# Altium PCB GSMGPSMC60_2.PcbDoc
Units mm, origin at the board's own origin, x right, y up, seen from the top; angles counter-clockwise.
Board outline 40.1 x 40 mm, 2 copper layers (Top Layer, Bottom Layer); 50 components, 63 nets, 215 pads, 6 vias.
Unrouted connection lines stored in the file: 97.
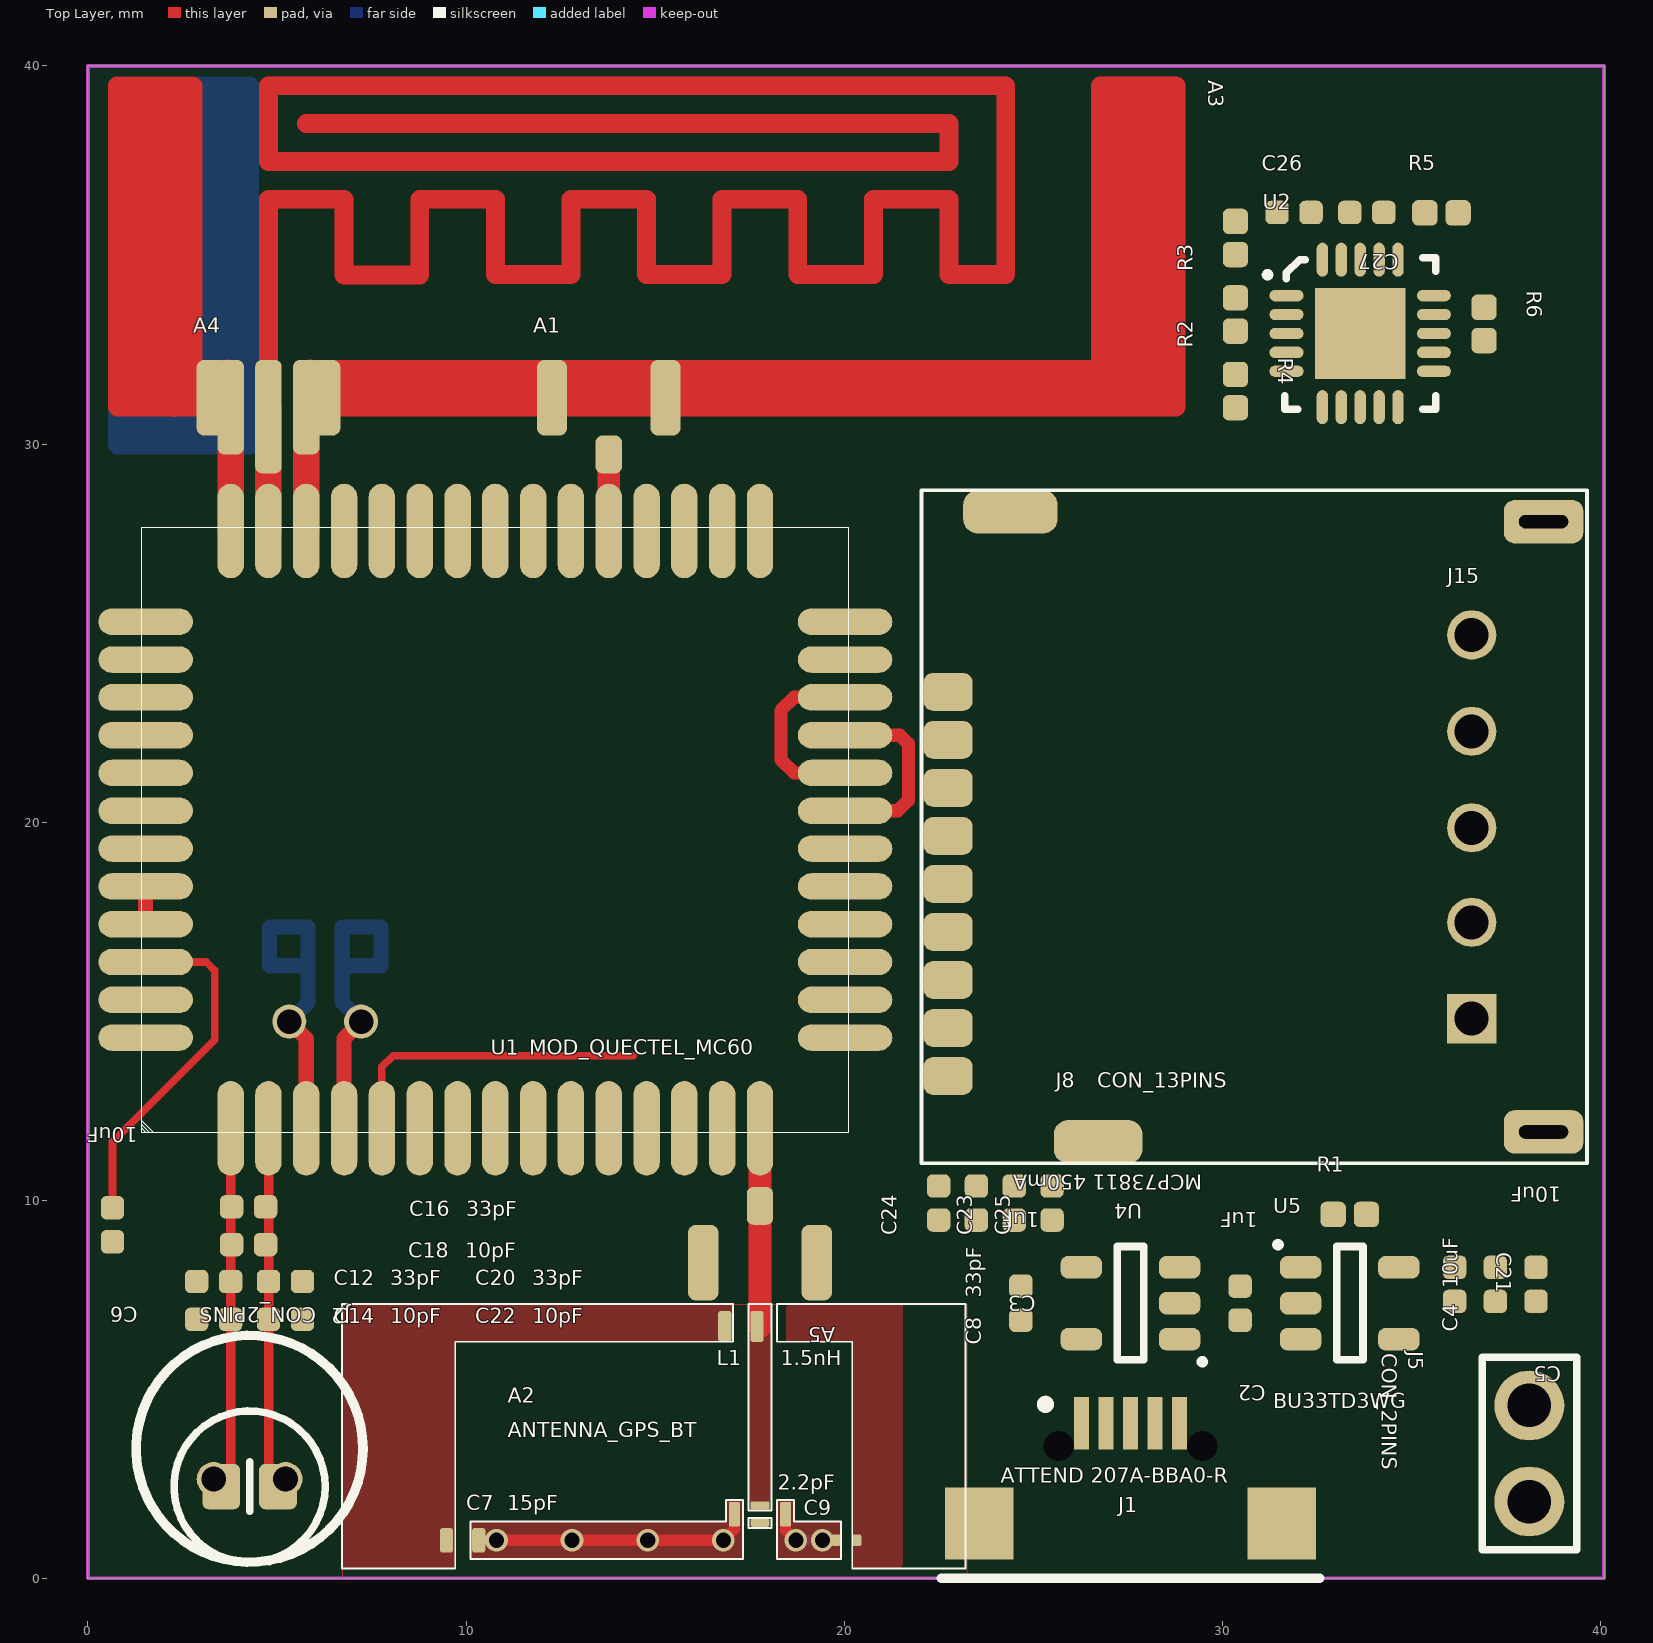
[diagram p0: Top Layer view]
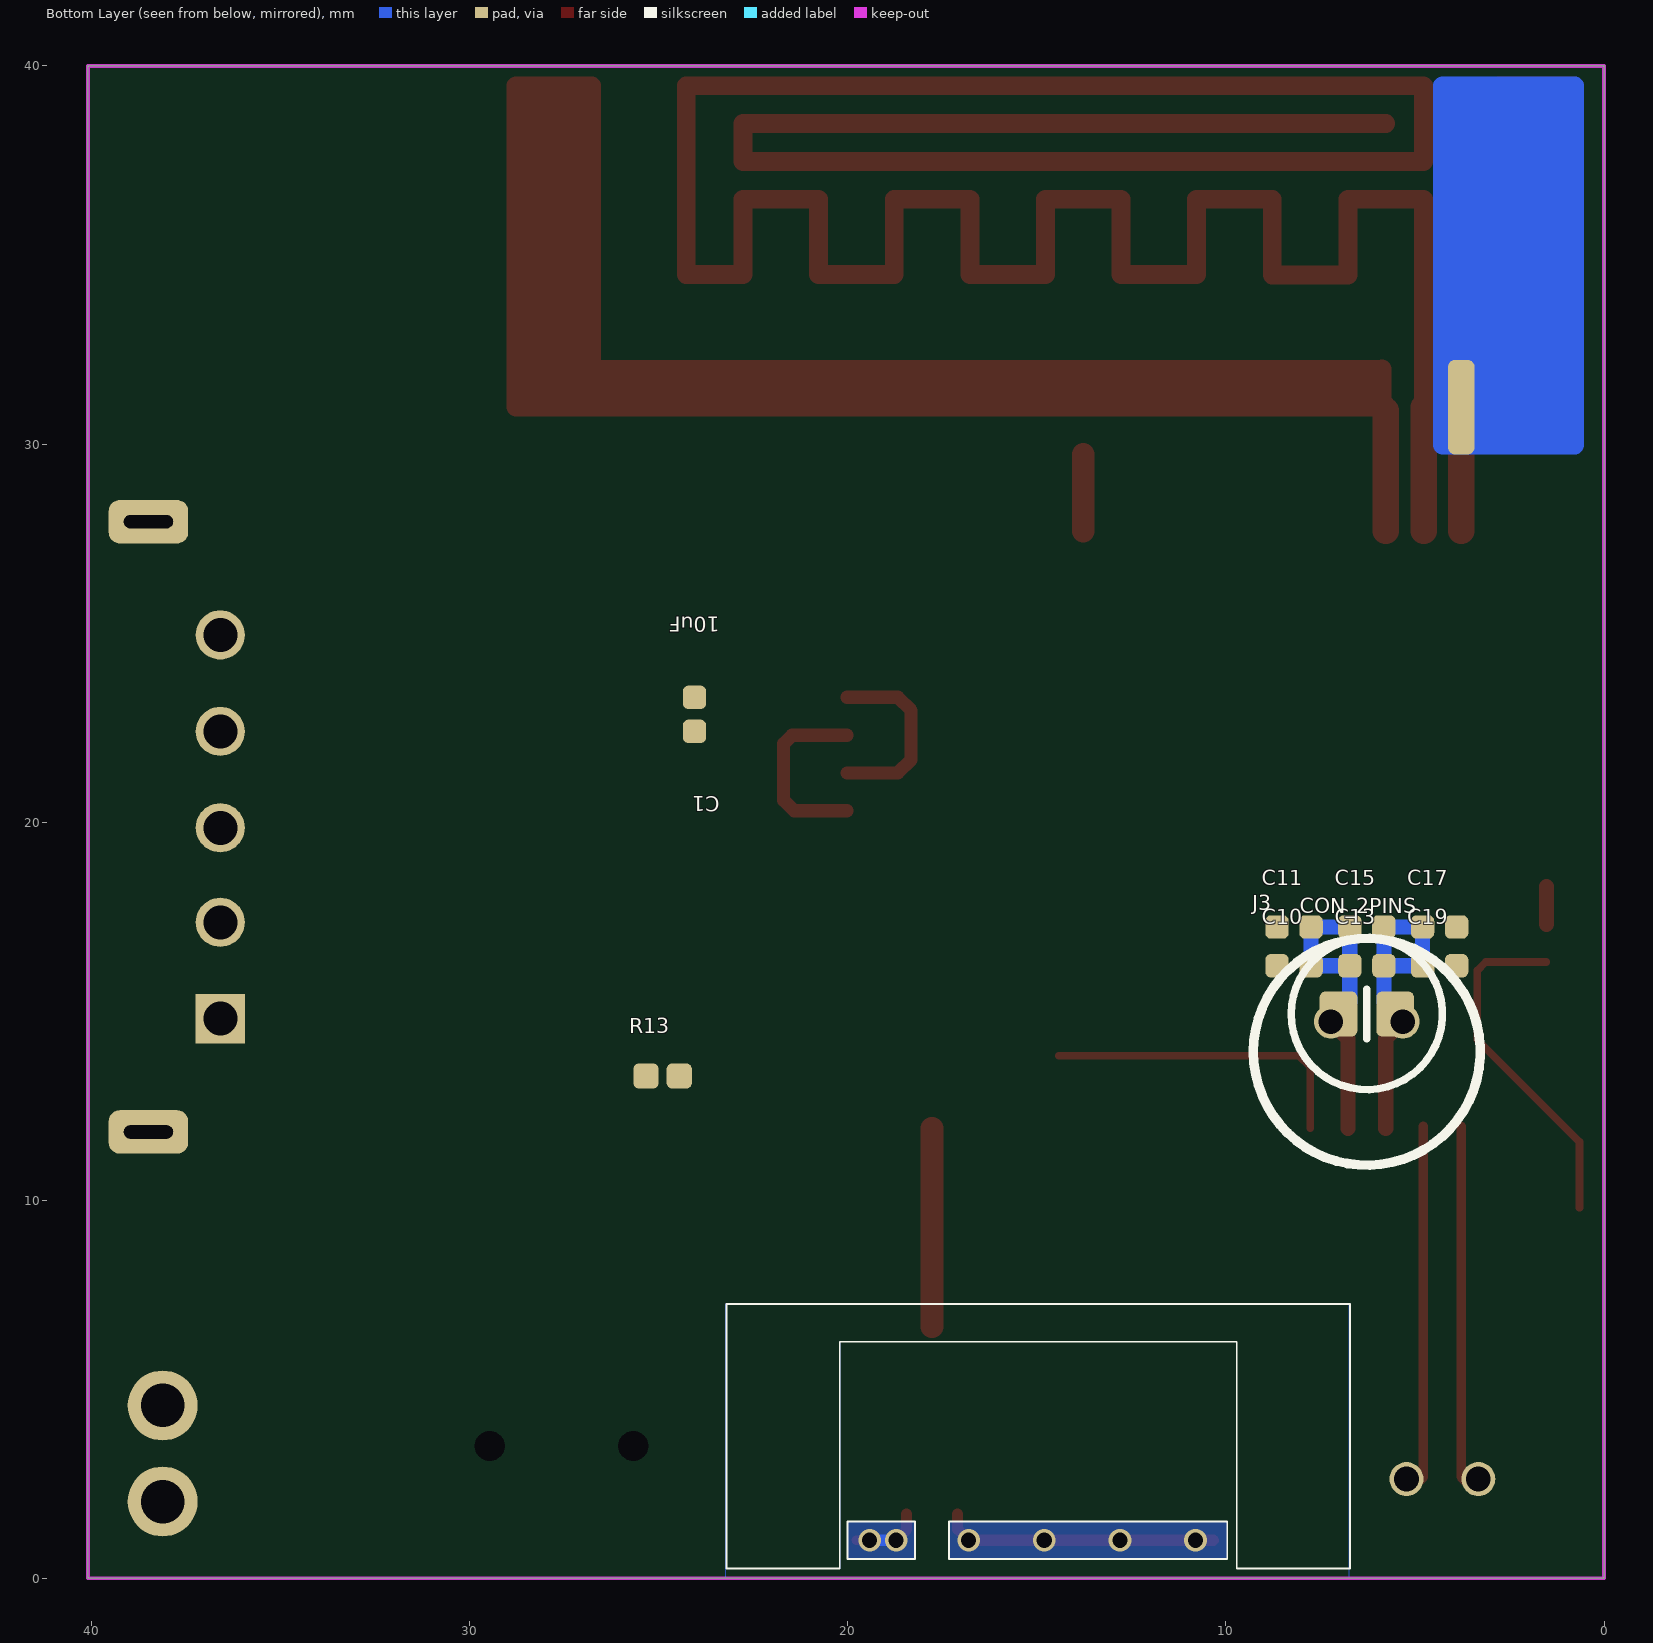
[diagram p1: Bottom Layer view, seen from below]

## Layer stack, top to bottom
Top Solder: solder mask 0.0102, Solder Resist, Dk 3.5
Top Layer: signal copper 0.0356
Dielectric 1: dielectric 0.32, FR-4, Dk 4.8
Bottom Layer: signal copper 0.0356
Bottom Solder: solder mask 0.0102, Solder Resist, Dk 3.5

## Board outline
0,0 40.1,0 40.1,40 0,40

## Design rules (kind name [scope] priority, off if disabled: settings)
Clearance Clearance_PolySmall [InPolygonClass('PolySmallClearance')] p1: gap=0.2
Clearance Clearance_Keepout [All vs OnLayer('Keep-Out Layer')] p2: gap=0.2
Clearance Clearance_Q1Q2Q3 [(InComponent('Q1') OR InComponent('Q2') OR InComponent('Q3')) vs (InComponent('Q1') OR InComponent('Q2') OR InComponent('Q3'))] p3 off: gap=1
Clearance Clearance_110V_NoNet [InNetClass('110V') vs InNet('No Net')] p4 off: gap=0.5
Clearance Clearance_220V_110V [InNetClass('220V') vs InNetClass('110V')] p5 off: gap=1
Clearance Clearance_240VAC_220V [InNet('240VAC') vs InNetClass('220V')] p6 off: gap=1
Clearance Clearance_Poly [All vs InPolygon] p7: gap=0.4
Clearance Clearance_TrackAll [All vs IsTrack] p8: gap=0.2
Clearance Clearance_TrackU4 [InComponent('U4') vs IsTrack] p9 off: gap=0.25
Clearance Clearance_220V [InNetClass('220V')] p10 off: gap=2
Clearance Clearance_110V [InNetClass('110V')] p11 off: gap=1
Clearance [All] p12: gap=0.2
ComponentClearance [All] p1 off: gap=0.254 collisioncheckmode=3 verticalgap=0.254 showdistances=FALSE
Height [All] p1 off: minheight=0 maxheight=25.4 prefheight=12.7
PolygonConnect PolygonConnect_Direct [InPadClass('Flooded')  or InComponentClass ('PolygonDirectConnect')] p1: connectstyle=Direct reliefconductorwidth=0.254 reliefentries=4 polygonreliefangle="90 Angle" airgapwidth=0.254
PolygonConnect PolygonConnect_GND [All vs IsVia] p2: connectstyle=Direct reliefconductorwidth=0.254 reliefentries=4 polygonreliefangle="90 Angle" airgapwidth=0.254
PolygonConnect [All] p3: connectstyle=Relief reliefconductorwidth=0.254 reliefentries=4 polygonreliefangle="90 Angle" airgapwidth=0.254
RoutingVias [All] p1: holewidth=0.711 width=1.27 viastyle="Through Hole" minholewidth=0.711 minwidth=1.27 maxholewidth=0.711 maxwidth=1.27
SolderMaskExpansion [All] p1: expansion=0.102
UnpouredPolygon [All] p1: allowunpoured=FALSE
Width [All] p1: maxlimit=5 minlimit=0.2 preferedwidth=0.5
27 further rules are at their usual default settings.

## Classes and differential pairs
pad class Flooded: J1-7 J1-8
polygon class PolySmallClearance: ANT_GND BT GND_ANT GPS GPS_ANT

## Components (designator, comment, footprint, x,y, rotation, side; value= is the part's Value field where it differs from the comment)
A1 "UFL" SMD_CON_ANTENNA_UFL 13.775,31.225 r0 top
A2 "ANTENNA_GPS_BT" "SMD_CHIP_ANTENNA_GPS_BT - FLIP" 17.775,1.695 r180 top
A3 "PCB" SMD_CON_ANTENNA_GSM_PCB 4.775,30.975 r0 top
A4 "ANTENNA_UFL" SMD_CON_ANTENNA_UFL 4.775,31.225 r0 top
A5 "ANTENNA_UFL" SMD_CON_ANTENNA_UFL 17.775,8.35 r180 top
C1 "10uF" SMD_0402_CAPC1005X90N 24.057,22.85 r270 bottom
C2 "1uF" SMD_0402_CAPC1005X90N 30.475,7.275 r270 top
C3 "1uF" SMD_0402_CAPC1005X90N 24.675,7.275 r270 top
C4 "10uF" SMD_0402_CAPC1005X90N 37.225,7.775 r270 top
C5 "10uF" SMD_0402_CAPC1005X90N 38.3,7.775 r270 top
C6 "10uF" SMD_0402_CAPC1005X90N 0.65,9.35 r270 top
C7 "15pF" "SMD_0402_CAPC1005X90N - ANTENNA" 9.915,1.005 r0 top
C8 "33pF" SMD_0402_CAPC1005X90N 23.5,9.925 r90 top
C9 "2.2pF" "SMD_0201_CAPC0603X33N - ANTENNA" 20.065,1.005 r0 top
C10 "33pF" SMD_0402_CAPC1005X90N 8.2,16.2 r180 bottom
C11 "10pF" SMD_0402_CAPC1005X90N 8.2,17.225 r180 bottom
C12 "33pF" SMD_0402_CAPC1005X90N 3.325,7.85 r0 top
C13 "33pF" SMD_0402_CAPC1005X90N 6.275,16.2 r180 bottom
C14 "10pF" SMD_0402_CAPC1005X90N 3.325,6.85 r0 top
C15 "10pF" SMD_0402_CAPC1005X90N 6.275,17.225 r180 bottom
C16 "33pF" SMD_0402_CAPC1005X90N 4.25,9.825 r0 top
C17 "33pF" SMD_0402_CAPC1005X90N 4.35,17.225 r180 bottom
C18 "10pF" SMD_0402_CAPC1005X90N 4.25,8.825 r0 top
C19 "10pF" SMD_0402_CAPC1005X90N 4.35,16.2 r180 bottom
C20 "33pF" SMD_0402_CAPC1005X90N 5.225,7.85 r0 top
C21 "100nF" SMD_0402_CAPC1005X90N 36.15,7.775 r270 top
C22 "10pF" SMD_0402_CAPC1005X90N 5.225,6.85 r0 top
C23 "10pF" SMD_0402_CAPC1005X90N 24.5,9.925 r90 top
C24 "10uF" SMD_0402_CAPC1005X90N 22.5,9.925 r90 top
C25 "100nF" SMD_0402_CAPC1005X90N 25.5,9.925 r90 top
C26 "1uF" SMD_0402_CAPC1005X90N 31.9,36.125 r0 top
C27 "1uF" SMD_0402_CAPC1005X90N 33.825,36.125 r180 top
J1 "ATTEND 207A-BBA0-R" SMD_CON_MICRO_USB 27.575,4.1 r270 top
J2 "CON_2PINS" PTH_MIC_6MM_2.7MM_PITCH1.9 4.275,3.425 r180 top
J3 "CON_2PINS" PTH_MIC_6MM_2.7MM_PITCH1.9 6.275,13.925 r180 bottom
J5 "CON_2PINS" PTH_HDRV02W64P254_1X02 38.125,3.3 r90 top
J8 "CON_13PINS" SMD_CON-ATTEND_MICRO_SIM_115Q-BCA0 38.5,19.875 r90 top
J15 "CON_5PINS" "SIP5 - PGM" 36.6,19.875 r90 top
L1 "1.5nH" "SMD_0402_INDC1005X55N - ANTENNA" 17.275,6.75 r0 top
R1 "0" SMD_0402_RESC1005X37N 33.375,9.625 r0 top
R2 "0" SMD_0402_RESC1005X37N 30.35,33.425 r90 top
R3 "0" SMD_0402_RESC1005X37N 30.35,35.45 r90 top
R4 "0" SMD_0402_RESC1005X37N 30.35,31.4 r270 top
R5 "0" SMD_0402_RESC1005X37N 35.8,36.114 r0 top
R6 "0" SMD_0402_RESC1005X37N 36.925,33.175 r270 top
R13 "0" SMD_0402_RESC1005X37N 24.9,13.285 r180 bottom
U1 "MOD_QUECTEL_MC60" SMD_MOD_MC60_54_PIN 10.775,19.8 r90 top
U2 "PIC16F1459" SMD_QFN50P400X400X90-21N 33.65,32.925 r0 top
U4 "MCP73811 450mA" "SMD_SOT26_SOT95P285X140-5N - DLV" 27.575,7.275 r180 top
U5 "BU33TD3WG" "SMD_SOT26_SOT95P285X140-5N - DLV" 33.375,7.275 r0 top

## Footprints (in the part's own frame and the unit in brackets; to place one, negate y for a bottom-side part, rotate by r counter-clockwise, add the part's x,y. Pads: shape width x height; smd on the part's side, far side on the other; paste and mask are expansions set on the pad)
PTH_HDRV02W64P254_1X02 [mm]
  round 1.85 hole 1.15 mask+0.075: 1(-1.27,0) 2(1.27,0)
  silkscreen extent -2.55,-1.25 2.55,1.25, body extent -2.54,-1.25 2.54,1.25, height 8
PTH_MIC_6MM_2.7MM_PITCH1.9 [mm] "PMO-6027P-40KDQ(20120820)"
  round 0.9 hole 0.65: 1(-0.95,0.8) 2(0.95,0.8)
  rrect33% 1x1.2 smd mask+0.075: 1(-0.75,1) 2(0.75,1)
  silkscreen extent -3,-3 3,3, body extent -2.98,-2.99 3,2.99, height 6.45
"SIP5 - PGM" [mm]
  rect 1.3x1.3 hole 0.9: 1(-5.075,0)
  round 1.3 hole 0.9: 2(-2.525,0) 3(-0.025,0) 4(2.525,0) 5(5.075,0)
"SMD_0201_CAPC0603X33N - ANTENNA" [mm]
  rrect42% 0.25x0.3 smd mask+0.075: 1(-0.28,0) 2(0.27,0)
  body extent -0.3,-0.15 0.3,0.15, height 0.33
SMD_0402_CAPC1005X90N [mm]
  rrect48% 0.62x0.62 smd mask+0.075: 1(-0.45,0) 2(0.45,0)
  body extent -0.5,-0.25 0.5,0.25, height 0.9
"SMD_0402_CAPC1005X90N - ANTENNA" [mm]
  rrect42% 0.35x0.65 smd mask+0.075: 1(-0.43,0) 2(0.42,0)
  body extent -0.5,-0.25 0.5,0.25, height 0.9
"SMD_0402_INDC1005X55N - ANTENNA" [mm]
  rrect42% 0.35x0.65 smd mask+0.075: 1(-0.43,0) 2(0.42,0)
  body extent -0.5,-0.27 0.5,0.28, height 0.55
SMD_0402_RESC1005X37N [mm]
  rrect45% 0.67x0.67 smd mask+0.05: 1(-0.44,0) 2(0.44,0)
  body extent -0.5,-0.25 0.5,0.25, height 0.37
"SMD_CHIP_ANTENNA_GPS_BT - FLIP" [mm] "ANT016008LCD"
  rrect33% 0.3x0.65 smd mask+0.075: 1(0.675,0) 2(-0.675,0)
  rrect33% 0.5x0.21 smd mask+0.075: 3(0,0.23) 4(0,-0.23)
  rrect42% 0.35x0.65 smd mask+0.075: 5(8.29,0.69) 6(7.44,0.69) 9(0.93,-4.88) 10(0.08,-4.88)
  rrect42% 0.25x0.3 smd mask+0.075: 7(-2.01,0.69) 8(-2.56,0.69)
  Top Layer lines w0.25: -1.65,0.69 -2.01,0.69
  Top Layer lines w0.3: 7.44,0.69 4.97,0.69 0.97,0.69 0.675,0.395 0.675,0 ; -0.675,0 -0.675,0.415 -0.95,0.69
  silkscreen extent -5.44,-5.56 11.06,1.44
SMD_CON-ATTEND_MICRO_SIM_115Q-BCA0 [mm] "ATTEND MicroSIM Holder 115Q-BCA0"
  rrect50% 1x1.3 smd mask+0.05: 1(3.57,15.75) 2(1.03,15.75) 3(-1.51,15.75) 4(-4.05,15.75) 5(2.3,15.75) 6(-0.24,15.75) 7(-2.78,15.75) 8(-5.32,15.75) 9(-6.59,15.75)
  rrect50% 1.15x2.1 hole 0.35 slot 1.3 at 90 deg mask+0.05: 10(-8.07,0) 11(8.07,0)
  rrect67% 1.15x2.35 smd mask+0.05: 12(-8.33,11.78)
  rrect67% 1.15x2.5 smd mask+0.05: 13(8.33,14.1)
  silkscreen extent -8.9,-1.15 8.9,16.45, body extent -8.64,-1.55 8.65,16.52, height 1.63
SMD_CON_ANTENNA_GSM_PCB [mm]
  rrect50% 0.7x2.5 smd: 1(0,0) 2(-1,0) 2(1,0)
  rrect50% 0.7x2.5 smd far side: 2(-1,0)
  Top Layer lines w0.5: -3.5,0 -3.5,8.5 ; -3,0 -3,8.5 -2.5,8.5 -2.5,-0.004 -1.1,0.001 -1.1,0.55 -1,0 ; -2,0.5 -1,0.5 -1,1 -1.5,1 -2,1 ; 0,0.004 0,5.5 2,5.5 2,3.5 4,3.5 4,5.5 6,5.5 6,3.51 8,3.51 8,5.5 10,5.5 10,3.51 12,3.51 12,5.5 14,5.5 14,3.51 16,3.51 16,5.5 18,5.5 18,3.51 19.5,3.51 19.5,8.5 0,8.5 0,6.5 18,6.5 18,7.5 1,7.5 ; 1.1,0.502 22,0.502 ; 1.1,0.504 1.1,0.004 ; 2,0.004 22,0.004 ; 4,0.004 1.1,0.004 ; 22.5,0.004 22.5,8.5 ; 23,0.004 23,8.5 23.5,8.5 23.5,0.004 ; 1.1,0.004 1.1,1 22,1 22,0.004 ; 1.1,0.004 1.1,1.004 1.1,0.004 ; 22,0.004 22,8.5 24,8.5 24,0.004 22,0.004 ; -4,0 -4,8.5 -2,8.5 -2,0 -4,0 ; -1.1,0.004 -1.1,1.004 -1.1,0.004
  Bottom Layer lines w0.5: -3.5,-1 -4,-1 -4,8.5 -3.5,8.5 ; -3.5,-1 -3.5,8.5 ; -3.5,-1 -3,-1 ; -3.5,8.5 -3,8.5 ; -3,-1 -2.5,-1 ; -3,-1 -3,8.5 ; -3,8.5 -2.5,8.5 ; -2.5,-1 -2.5,8.5 ; -2.5,-1 -2,-1 ; -2.5,8.5 -2,8.5 ; -2,-1 -1.5,-1 ; -2,-1 -2,8.5 ; -2,8.5 -1.5,8.5 ; -1.5,-1 -1,-1 ; -1.5,-1 -1.5,8.5 ; -1.5,8.5 -1,8.5 ; -1,-1 -1,8.5 ; -1,-1 -0.5,-1 -0.5,8.5 -1,8.5
SMD_CON_ANTENNA_UFL [mm]
  rrect50% 0.7x1 smd: 1(0,-1.5)
  rrect50% 0.8x2 smd: 2(-1.5,0) 2(1.5,0)
SMD_CON_MICRO_USB [mm]
  rect 1.4x0.4 smd: 1(0,-1.3) 2(0,-0.65) 3(0,0) 4(0,0.65) 5(0,1.3)
  round 0.7 hole 0.8: 6(0.6,1.9) 9(0.6,-1.9)
  rect 1.9x1.8 smd: 7(2.65,4) 8(2.65,-4)
  silkscreen extent -0.6,-5 4.1,5, body extent -0.1,-4 5.5,4, height 2.7
SMD_MOD_MC60_54_PIN [mm]
  oval 2.5x0.7 smd: 1(-7.9,7) 2(-7.9,6) 3(-7.9,5) 4(-7.9,4) 5(-7.9,3) 6(-7.9,2) 7(-7.9,1) 8(-7.9,0) 9(-7.9,-1) 10(-7.9,-2) 11(-7.9,-3) 12(-7.9,-4) 13(-7.9,-5) 14(-7.9,-6) 15(-7.9,-7) 28(7.9,-7) 29(7.9,-6) 30(7.9,-5) 31(7.9,-4) 32(7.9,-3) 33(7.9,-2) 34(7.9,-1) 35(7.9,0) 36(7.9,1) 37(7.9,2) 38(7.9,3) 39(7.9,4) 40(7.9,5) 41(7.9,6) 42(7.9,7)
  oval 0.7x2.5 smd: 16(-5.5,-9.25) 17(-4.5,-9.25) 18(-3.5,-9.25) 19(-2.5,-9.25) 20(-1.5,-9.25) 21(-0.5,-9.25) 22(0.5,-9.25) 23(1.5,-9.25) 24(2.5,-9.25) 25(3.5,-9.25) 26(4.5,-9.25) 27(5.5,-9.25) 43(5.5,9.25) 44(4.5,9.25) 45(3.5,9.25) 46(2.5,9.25) 47(1.5,9.25) 48(0.5,9.25) 49(-0.5,9.25) 50(-1.5,9.25) 51(-2.5,9.25) 52(-3.5,9.25) 53(-4.5,9.25) 54(-5.5,9.25)
  silkscreen extent -8,-9.35 8,9.35, body extent -7.9,-8.85 7.9,8.85, height 2.3
SMD_QFN50P400X400X90-21N [mm]
  oval 0.9x0.3 smd mask+0.05: 1(-1.95,1) 2(-1.95,0.5) 3(-1.95,0) 4(-1.95,-0.5) 5(-1.95,-1) 11(1.95,-1) 12(1.95,-0.5) 13(1.95,0) 14(1.95,0.5) 15(1.95,1)
  oval 0.3x0.9 smd mask+0.05: 6(-1,-1.95) 7(-0.5,-1.95) 8(0,-1.95) 9(0.5,-1.95) 10(1,-1.95) 16(1,1.95) 17(0.5,1.95) 18(0,1.95) 19(-0.5,1.95) 20(-1,1.95)
  rect 2.4x2.4 smd paste-1.2 mask+0.05: 21(0,0)
  silkscreen extent -2.6,-2 2,2, body extent -2.1,-2.1 2.1,2.1, height 0.95
"SMD_SOT26_SOT95P285X140-5N - DLV" [mm]
  rrect67% 1.1x0.6 smd mask+0.075: 1(-1.3,0.95) 2(-1.3,0) 3(-1.3,-0.95) 4(1.3,-0.95) 5(1.3,0.95)
  silkscreen extent -2.05,-1.5 0.35,1.7, body extent -1.5,-1.5 1.5,1.5, height 1.2

## Part data
A1 A3 A4 A5: library part ANTENNA_2
C1 C2 C3 C4 C5 C6 C7 C8 C9 C10 C11 C12 C13 C14 C15 C16 C17 C18 C19 C20 C21 C22 C23 C24 C25 C26 C27: library part C
J1: library part CON_USB_MINI
L1: library part L
R1 R2 R3 R4 R5 R6 R13: library part R
U2: library part IC_PIC16F1459
U4: "MCP73812"
U5: library part IC_BU33TD3WG

## Via types
v1: diameter 0.6, hole 0.4, Top Layer to Bottom Layer, tented both sides, 6 vias

## Nets (pads, with @x,y where several pads share a name; then routed paths per layer and width w, separated by ;. In a path a pad name is that pad's centre, name@x,y a point inside that pad or via, vN(x,y) a via of type N, cw(c..) or ccw(c..) an arc to the next point about the centre after c; other vN are vias at no path point)
1PPS: U1.17
5.0V: C3.1 J1.1 J1.9 R2.1 U2.3 U4.1 U4.4 U4.5
ADC: U1.6
AUX_RX: U1.22 U1.24 | length 5.1
  Top Layer w0.35: U1.22 21.42,20.3 21.7,20.58 21.7,22.075 21.475,22.3 U1.24
AUX_TX: U1.23 U1.25 | length 5
  Top Layer w0.35: U1.23 18.675,21.3 18.329,21.646 18.329,22.954 18.675,23.3 U1.25
B_BT: A2.2 A2.7 C9.1 | length 0.7
  Bottom Layer w0.3: v1(18.725,1.005) v1(19.425,1.005)
B_GPS: A2.1 A2.6 C7.2
  other v1: 10.805,1.005 12.805,1.005 14.805,1.005 16.805,1.005
BT_ANT: A1.1 U1.32 | length 2
  Top Layer w0.6: U1.32 A1.1
CD1: 
CD2: 
D+: J1.3 U2.19
D-: J1.2 U2.18
DBG_RX: U1.30
DBG_TX: U1.29
GND: A1.2 A2.5 A2.8 A2.9 A3.2 A4.2 A5.2 C2.2 C3.2 C4.2 C5.2 C6.2 C7.1 C8.2 C9.2 C10.1 C11.1 C12.1 C14.1 C17.2 C19.2 C20.2 C21.2 C22.2 C23.2 C24.2 C25.2 C26.2 C27.2 J1.5 J1.6 J1.7 J1.8 J5.1 J8.10 J8.11 J8.12 J8.13 J15.3 L1.1 U1.14 U1.27 U1.31 U1.40 U1.42 U1.44 U1.45 U1.48 U1.49 U2.20 U4.2 U5.2 | length 6.6
  Top Layer w0.7: A3.2@3.675,30.976 3.775,30.876 U1.42 ; U1.40 5.775,30.879 A3.2@5.875,30.979
GNSS_ANT: A2.4 A2.10 A5.1 L1.2 U1.15 | length 5.2
  Top Layer w0.6: A2.10@17.775,6.655 U1.15
GNSS_VCC_EN: U1.28 U5.3
GPS_VDD: C4.1 C5.1 C21.1 R1.2 U1.26 U5.4 U5.5
GSM_CTS: U1.38
GSM_DCD: U1.36
GSM_DTR: R13.1 U1.37
GSM_PWRKEY: R4.2 U1.5 U2.7 | length 8.4
  Top Layer w0.2: U1.5 7.775,13.525 8.075,13.825 14.425,13.825
GSM_RI: U1.35
GSM_RTS: U1.39
GSM_RX: R5.2 U1.34 U2.10
GSM_TX: R6.2 U1.33 U2.12
GSM_VDD: C2.1 C8.1 C23.1 C24.1 C25.1 J5.2 R1.1 R3.1 U1.50 U1.51 U4.3 U5.1 | length 1
  Top Layer w0.4: U1.51 U1.50
LOUDSPKN: U1.53
LOUDSPKP: U1.54
MCLR: J1.4 J15.1 R4.1 U2.4
MCU_VDD: C26.1 J15.2 R2.2 R3.2 U2.1
MICN: C16.2 C18.2 C20.1 C22.1 J2.1 U1.2 | length 9.6
  Top Layer w0.25: U1.2@4.781,11.959 4.781,2.669 J2.1@5.025,2.425
MICP: C12.2 C14.2 C16.1 C18.1 J2.2 U1.1 | length 9.6
  Top Layer w0.25: J2.2@3.525,2.425 3.781,2.681 U1.1@3.781,11.959
NETLIGHT: U1.47
PGC: J15.5 R6.1 U2.15
PGD: J15.4 R5.1 U2.16
RESERVED: U1.46
RF_ANT: A3.1 A4.1 U1.41 | length 3.3
  Top Layer w0.7: U1.41 A3.1
SD_CD: 
SD_CD/DAT3: 
SD_CLK: U1.8
SD_CMD: U1.7
SD_DAT0: U1.9
SD_DAT1: 
SD_DAT2: 
SD_VDD: 
SD_VSS: 
SIM2_CLK: U1.10
SIM2_IO: U1.11
SIM2_RST: U1.12
SIM2_VDD: U1.13
SIM_CD: J8.9 R13.2
SIM_CLK: J8.3 U1.19
SIM_GND: C1.2 J8.5 U1.16
SIM_IO: J8.7 U1.21
SIM_RST: J8.2 U1.20
SIM_VDD: C1.1 J8.1 U1.18
SIM_VPP: J8.6
SPKN: C10.2 C11.2 C13.1 C15.1 J3.1 U1.4 | length 8.8
  Top Layer w0.4: U1.4 6.775,14.275 J3.1@7.225,14.725
  Bottom Layer w0.4: J3.1@7.225,14.725 6.725,15.225 C13.1 ; C13.1 C15.1 C11.2 C10.2 C13.1
SPKP: C13.2 C15.2 C17.1 C19.1 J3.2 U1.3 | length 8.8
  Top Layer w0.4: J3.2@5.325,14.725 5.775,14.275 U1.3
  Bottom Layer w0.4: J3.2@5.325,14.725 5.825,15.225 C13.2 ; C13.2 C15.2 C17.1 C19.1 C13.2
USB_VDD: C27.1 U2.17
VDD_EXT: U1.43
VRTC: C6.1 U1.52 | length 9.3
  Top Layer w0.2: C6.1 0.65,11.55 3.35,14.25 3.35,16.075 3.125,16.3 U1.52
pads on no net: A2.3 J8.4 J8.8 U2.2 U2.5 U2.6 U2.8 U2.9 U2.11 U2.13 U2.14 U2.21

## Polygon pours and split planes (outlines as drawn)
B_GPS on Top Layer "GPS" (solid, remove dead copper, pour order 26): 10.115,0.505 17.325,0.505 17.325,2.075 16.875,2.075 16.875,1.505 10.115,1.505
GND on Top Layer "GND" (solid, remove dead copper, shelved, pour order 31): 6.74,7.25 23.24,7.25 23.24,0 40.1,0 40.1,40 0,40 0,0 6.74,0
GNSS_ANT on Top Layer "GPS_ANT" (solid, remove dead copper, pour order 28): 17.475,1.795 18.075,1.795 18.075,7.255 17.475,7.255 17.475,1.795
B_BT on Top Layer "BT" (solid, remove dead copper, pour order 24): 18.225,2.075 18.675,2.075 18.675,1.505 19.915,1.505 19.915,0.505 18.225,0.505
GND on Top Layer "ANT_GND" (solid, remove dead copper, pour order 35): 9.715,0.255 9.715,6.255 17.065,6.255 17.065,7.255 6.715,7.255 6.715,0.255
GND on Top Layer "ANT_GND" (solid, remove dead copper, pour order 37): 18.475,7.255 18.475,6.255 20.215,6.255 20.215,0.255 23.225,0.255 23.225,7.255
B_GPS on Bottom Layer "GPS" (solid, remove dead copper, pour order 27): 17.325,1.505 17.325,0.505 9.965,0.505 9.965,1.505
B_BT on Bottom Layer "BT" (solid, pour order 25): 18.225,0.505 20.015,0.505 20.015,1.505 18.225,1.505
GND on Bottom Layer "GND" (solid, remove dead copper, shelved, pour order 32): 6.74,7.25 23.24,7.25 23.24,0 40.1,0 40.1,40 0,40 0,0 6.74,0
GND on Bottom Layer "GND_ANT" (solid, remove dead copper, shelved, pour order 30): 23.215,0.255 23.215,7.255 6.715,7.255 6.715,0.255 9.715,0.255 9.715,6.255 20.215,6.255 20.215,0.255

## Keep-outs
Keep-Out Layer:
  the board outline again, w0.1

## Text inside footprints (layer, text, board x,y; h text height)
J5: Mechanical 3 "1" at 39.075,0.99 h0.5 r90